# Allegro board DPU_PoE_A1_SizeReduce.brd (continued)
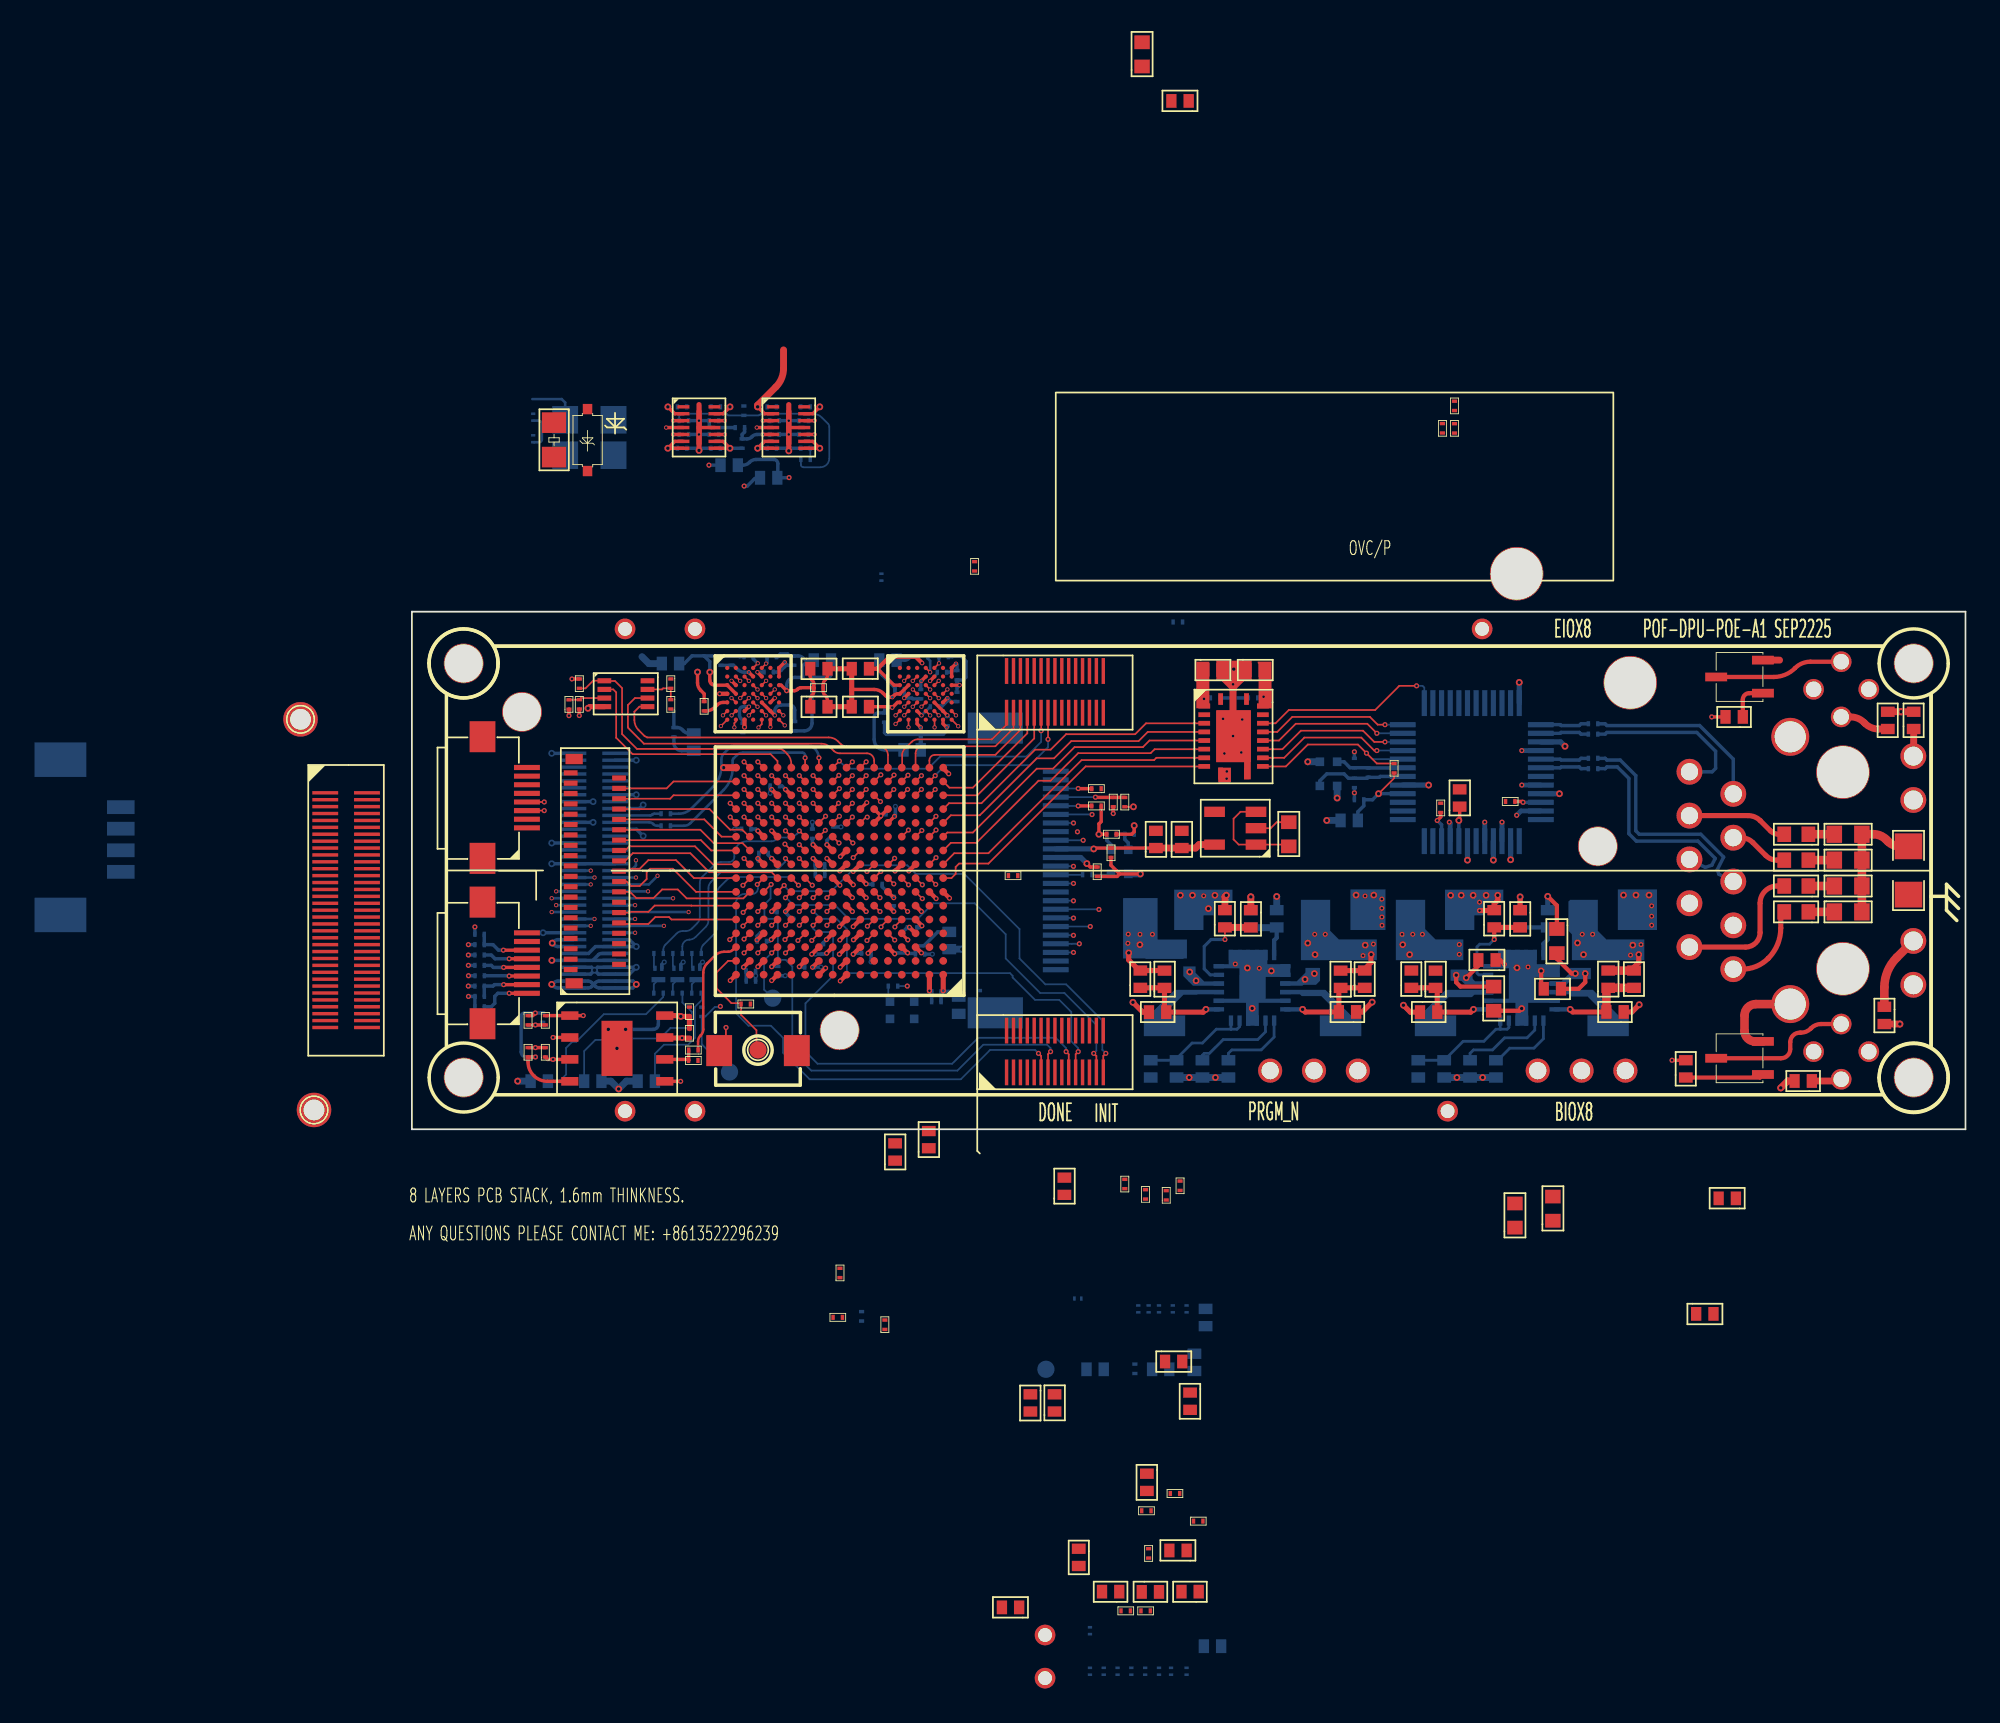
[diagram p0: board, top side]
## Routing (per net, layer and track width the routed paths; a pad name or vN(x,y) marks a point on that pad's centre or on a via; arc(x,y) is an arc through that point) (continued)
H1_D8: length 15
  TOP w0.102: v2(30.52,23.99) U2.F5 ; v1(23.95,17.33) U7.L10
  SIG-3 w0.102: v2(30.52,23.99) 30.52,23.76 arc(30.53,23.71) 30.56,23.66 30.58,23.64 arc(30.61,23.6) 30.62,23.54 30.62,23.26 arc(30.66,23.07) 30.77,22.9 30.94,22.73 arc(31.01,22.55) 30.94,22.38 30.14,21.58 arc(30.06,21.53) 29.97,21.51 29.94,21.51 arc(29.85,21.49) 29.77,21.44 29.26,20.93 arc(29.15,20.76) 29.11,20.57 29.11,19.57 arc(29.15,19.38) 29.26,19.21 29.45,19.02 arc(29.55,18.78) 29.45,18.54 28.56,17.65 arc(28.25,17.44) 27.88,17.37 25.8,17.37 arc(25.61,17.33) 25.46,17.23 25.36,17.13 arc(25.19,17.02) 25,16.98 24.5,16.98 arc(24.45,16.97) 24.42,16.95 24.4,16.93 arc(24.37,16.91) 24.32,16.9 23.61,16.9 arc(23.54,16.93) 23.51,17 23.51,17.35 arc(23.54,17.42) 23.61,17.45 23.85,17.45 arc(23.92,17.42) 23.95,17.35 v1(23.95,17.33)
H1_D9: length 15
  TOP w0.102: v2(28.02,23.99) U2.F1 ; v1(24.73,20.51) 24.38,20.16
  SIG-3 w0.102: v2(28.02,23.99) 27.66,23.99 arc(27.43,24.09) 27.33,24.32 27.33,25.49 arc(27.36,25.56) 27.43,25.59 27.83,25.59 arc(27.9,25.62) 27.93,25.69 27.93,25.9 arc(27.9,25.97) 27.83,26 27.43,26 arc(27.36,26.03) 27.33,26.1 27.33,26.58 arc(27.27,26.72) 27.13,26.78 26.54,26.78 arc(26.47,26.81) 26.44,26.88 26.44,26.93 arc(26.41,27) 26.34,27.03 26.14,27.03 arc(26.07,27) 26.04,26.93 26.04,26.88 arc(26.01,26.81) 25.93,26.78 25.73,26.78 arc(25.66,26.81) 25.63,26.88 25.63,26.93 arc(25.6,27) 25.53,27.03 25.32,27.03 arc(25.25,27) 25.22,26.93 25.22,26.88 arc(25.19,26.81) 25.12,26.78 24.66,26.78 arc(24.48,26.7) 24.4,26.52 24.4,20.85 v1(24.73,20.51)
H1_D10: length 15.1
  TOP w0.102: v1(25.55,16.59) U7.L8 ; v2(31.52,23.99) U2.F7
  SIG-3 w0.102: v1(25.55,16.59) 25.84,16.89 26.57,16.89 arc(26.74,16.86) 26.88,16.76 26.89,16.75 arc(27.02,16.69) 27.16,16.75 27.18,16.78 arc(27.21,16.82) 27.23,16.88 27.23,16.9 arc(27.24,16.96) 27.27,17 27.3,17.03 arc(27.43,17.09) 27.56,17.03 27.59,17 arc(27.62,16.96) 27.63,16.9 27.63,16.88 arc(27.64,16.82) 27.67,16.78 27.7,16.75 arc(27.84,16.69) 27.97,16.75 28,16.78 arc(28.03,16.82) 28.04,16.88 28.04,16.9 arc(28.05,16.96) 28.08,17 28.11,17.03 arc(28.24,17.09) 28.37,17.03 28.39,17.02 arc(28.64,16.85) 28.93,16.79 arc(29.05,16.84) 29.1,16.96 29.1,17.62 arc(29.15,17.75) 29.29,17.8 29.46,17.8 arc(29.71,17.9) 29.8,18.15 29.8,18.26 arc(29.82,18.32) 29.85,18.37 29.86,18.38 arc(29.9,18.43) 29.91,18.49 29.91,18.7 arc(29.94,18.77) 30.01,18.8 30.29,18.8 arc(30.36,18.83) 30.39,18.9 30.39,19.1 arc(30.36,19.17) 30.29,19.2 30.01,19.2 arc(29.94,19.23) 29.91,19.3 29.91,19.64 arc(29.94,19.8) 30.03,19.93 30.08,19.98 arc(30.12,20.06) 30.08,20.15 30.03,20.2 arc(29.94,20.33) 29.91,20.49 29.91,20.88 arc(29.94,20.96) 30.02,20.99 30.46,20.99 arc(30.59,21.04) 30.64,21.17 30.64,21.5 arc(30.71,21.66) 30.87,21.73 31.2,21.73 arc(31.27,21.76) 31.3,21.83 31.3,23.53 arc(31.33,23.66) 31.4,23.77 31.52,23.89 v2(31.52,23.99)
H1_D11: length 14.9
  TOP w0.102: v2(28.52,23.99) U2.F2 ; v1(25.52,19.7) U7.P8
  SIG-3 w0.102: v2(28.52,23.99) 28.52,23.53 arc(28.43,23.3) 28.2,23.21 27.49,23.21 arc(27.3,23.25) 27.13,23.36 26.78,23.71 arc(26.67,23.88) 26.63,24.07 26.63,25.28 arc(26.58,25.41) 26.45,25.46 25.27,25.46 arc(25.16,25.41) 25.11,25.3 25.11,25.07 arc(25.14,25) 25.21,24.97 26.18,24.97 arc(26.25,24.94) 26.28,24.87 26.28,24.54 arc(26.25,24.47) 26.18,24.44 25.34,24.44 arc(25.22,24.41) 25.12,24.34 25.11,24.33 arc(25,24.06) 25.11,23.78 25.35,23.54 arc(25.46,23.37) 25.5,23.18 25.5,22.23 arc(25.54,22.04) 25.65,21.87 25.74,21.78 arc(25.86,21.6) 25.9,21.4 25.9,20.08 v1(25.52,19.7)
H1_D12: length 15.1
  TOP w0.102: v2(30.28,23.29) 30.28,23.73 U2.G5 ; v1(24.77,18.14) U7.M9
  SIG-3 w0.102: v1(24.77,18.14) 24.84,18.07 24.84,17.77 arc(24.79,17.73) 24.72,17.71 24.71,17.71 arc(24.64,17.69) 24.57,17.65 24.53,17.61 arc(24.5,17.54) 24.53,17.47 24.66,17.34 arc(24.81,17.28) 24.96,17.34 25.16,17.54 arc(25.33,17.65) 25.52,17.69 27.91,17.69 28.12,17.74 28.13,17.74 28.37,17.98 28.37,18.59 arc(28.4,18.66) 28.47,18.69 28.81,18.69 arc(28.89,18.72) 28.91,18.79 28.91,19 arc(28.89,19.07) 28.81,19.1 28.45,19.1 arc(28.38,19.13) 28.35,19.2 28.35,20.81 arc(28.38,20.88) 28.45,20.91 28.82,20.91 arc(28.89,20.94) 28.92,21.01 28.92,21.25 arc(28.89,21.32) 28.82,21.35 28.45,21.35 arc(28.38,21.38) 28.35,21.45 28.35,21.72 arc(28.38,21.79) 28.45,21.82 29.4,21.82 arc(29.59,21.86) 29.76,21.97 29.83,22.04 arc(29.93,22.11) 30.04,22.13 30.07,22.13 arc(30.18,22.15) 30.28,22.22 30.52,22.46 arc(30.56,22.55) 30.52,22.63 30.42,22.73 arc(30.32,22.89) 30.28,23.07 v2(30.28,23.29)
H1_D13: length 15
  TOP w0.102: v1(24.77,19.74) U7.P9 ; v2(28.02,23.49) U2.G1
  SIG-3 w0.102: v2(28.02,23.49) 27.79,23.49 arc(27.6,23.53) 27.44,23.64 27.12,23.96 arc(27.01,24.13) 26.97,24.32 26.97,26.21 arc(26.94,26.28) 26.87,26.31 26.6,26.31 arc(26.53,26.28) 26.5,26.21 26.5,25.95 arc(26.47,25.88) 26.4,25.85 26.27,25.85 arc(26.21,25.86) 26.17,25.89 26.15,25.91 arc(26.12,25.95) 26.11,26.01 26.11,26.25 arc(26.1,26.3) 26.07,26.34 26.02,26.39 arc(25.91,26.44) 25.8,26.39 25.8,26.39 arc(25.73,26.28) 25.7,26.15 25.7,25.95 arc(25.67,25.88) 25.6,25.85 25.28,25.85 arc(25.21,25.88) 25.18,25.95 25.18,26.26 arc(25.14,26.34) 25.06,26.38 24.88,26.38 arc(24.8,26.34) 24.76,26.26 24.76,23.82 arc(24.8,23.63) 24.91,23.46 25.03,23.34 arc(25.08,23.26) 25.1,23.17 25.1,20.08 v1(24.77,19.74)
H1_D14: length 14.8
  TOP w0.102: v1(24.75,16.59) U7.L9 ; v2(31.65,23.36) U2.G7
  SIG-3 w0.102: v2(31.65,23.36) 31.65,21.04 arc(31.61,20.93) 31.5,20.89 30.94,20.89 arc(30.78,20.82) 30.71,20.66 30.71,17.82 arc(30.67,17.74) 30.59,17.7 30.04,17.7 arc(29.94,17.66) 29.9,17.56 29.9,16.66 arc(29.83,16.49) 29.66,16.42 27.16,16.42 arc(27.06,16.4) 26.97,16.34 26.87,16.24 arc(26.7,16.13) 26.51,16.09 25.42,16.09 arc(25.23,16.13) 25.06,16.24 24.9,16.4 24.9,16.44 v1(24.75,16.59)
H1_D15: length 15.1
  TOP w0.102: U7.N9 v1(24.72,18.9) ; v2(28.77,23.3) U2.G2
  SIG-3 w0.102: v1(24.72,18.9) 25.12,19.3 26.59,19.3 arc(26.66,19.33) 26.69,19.4 26.69,21.54 arc(26.7,21.6) 26.73,21.64 26.75,21.66 arc(26.79,21.69) 26.85,21.7 26.95,21.7 arc(27.05,21.74) 27.09,21.84 27.09,22.01 arc(27.06,22.08) 26.99,22.11 26.01,22.11 arc(25.9,22.15) 25.85,22.26 25.85,22.38 arc(25.86,22.42) 25.88,22.45 26.04,22.61 arc(26.11,22.64) 26.18,22.61 arc(26.29,22.56) 26.39,22.61 26.49,22.71 arc(26.53,22.81) 26.49,22.91 25.71,23.69 arc(25.68,23.76) 25.71,23.83 25.85,23.97 arc(25.93,24) 26,23.97 27.04,22.93 arc(27.13,22.79) 27.16,22.63 27.16,22.55 arc(27.2,22.47) 27.28,22.44 27.48,22.44 arc(27.55,22.47) 27.58,22.54 27.58,22.83 arc(27.61,22.9) 27.68,22.93 27.83,22.93 arc(27.9,22.9) 27.93,22.83 27.93,22.6 arc(27.96,22.53) 28.03,22.5 28.23,22.5 arc(28.3,22.53) 28.33,22.6 28.33,22.72 arc(28.34,22.76) 28.36,22.8 28.37,22.81 arc(28.41,22.83) 28.45,22.84 28.67,22.84 arc(28.74,22.87) 28.77,22.94 v2(28.77,23.3)
H1_RST: length 20
  TOP w0.102: v1(27.14,18.99) U7.P6 ; v2(30.54,27.01) U2.A5
  SIG-6 w0.102: v1(27.14,18.99) 27.18,18.95 30.96,18.95 arc(31.16,18.99) 31.32,19.1 32.13,19.91 arc(32.34,20.05) 32.59,20.1 33.25,20.1 arc(33.39,20.13) 33.51,20.21 35.63,22.33 arc(35.74,22.5) 35.78,22.69 35.78,25.06 arc(35.74,25.25) 35.63,25.42 34.52,26.53 arc(34.35,26.64) 34.16,26.68 31.07,26.68 arc(30.88,26.72) 30.71,26.83 v2(30.54,27.01)
  BOTTOM w0.15: v2(30.54,27.01) 30.54,27.01 R61.2
H1_RWDS0: length 14.8
  TOP w0.102: v2(30.02,25.49) U2.C4 ; v1(29.52,20.5) 29.18,20.16
  SIG-6 w0.102: v1(29.52,20.5) 29.52,20.85 arc(29.63,21.12) 29.89,21.23 32.57,21.23 arc(32.76,21.27) 32.93,21.38 32.95,21.4 arc(33.06,21.47) 33.18,21.49 33.19,21.49 arc(33.34,21.56) 33.41,21.71 33.41,21.86 arc(33.47,22.01) 33.62,22.07 33.77,22.07 arc(33.92,22.13) 33.98,22.28 33.98,22.37 arc(33.99,22.43) 34.03,22.48 34.3,22.75 arc(34.4,22.89) 34.43,23.06 34.43,23.07 arc(34.44,23.13) 34.47,23.17 34.62,23.32 arc(34.66,23.43) 34.62,23.54 34.43,23.73 arc(34.39,23.83) 34.43,23.94 34.62,24.13 arc(34.69,24.3) 34.62,24.46 34.46,24.62 arc(34.44,24.65) 34.43,24.69 34.43,24.77 arc(34.37,25.06) 34.21,25.3 33.97,25.54 arc(33.7,25.72) 33.39,25.78 32.66,25.78 arc(32.47,25.74) 32.3,25.63 32.13,25.46 arc(31.82,25.33) 31.51,25.46 31.29,25.68 arc(30.98,25.81) 30.67,25.68 30.63,25.64 arc(30.46,25.53) 30.27,25.49 v2(30.02,25.49)
H1_RWDS1: length 15
  TOP w0.102: v1(25.52,18.9) U7.N8 ; v2(30.02,23.99) U2.F4
  SIG-3 w0.102: v2(30.02,23.99) 30.02,23.8 arc(30.01,23.75) 29.98,23.7 29.97,23.69 arc(29.93,23.66) 29.87,23.65 29.19,23.65 arc(29.12,23.62) 29.09,23.55 29.09,22.88 29.16,22.81 29.74,22.81 arc(29.87,22.79) 29.98,22.71 30.02,22.67 arc(30.05,22.6) 30.02,22.53 29.96,22.47 arc(29.92,22.44) 29.86,22.43 29.2,22.43 arc(29.04,22.4) 28.91,22.31 28.89,22.29 arc(28.76,22.2) 28.6,22.17 27.87,22.17 arc(27.71,22.14) 27.58,22.05 27.52,21.99 arc(27.49,21.92) 27.52,21.85 27.58,21.79 arc(27.62,21.76) 27.68,21.75 27.8,21.75 arc(27.84,21.74) 27.88,21.72 27.9,21.7 arc(27.92,21.66) 27.93,21.62 27.93,21.49 arc(27.9,21.42) 27.83,21.39 27.29,21.39 arc(27.22,21.36) 27.19,21.29 27.19,21.1 arc(27.22,21.03) 27.29,21 27.45,21 arc(27.52,20.97) 27.55,20.9 27.55,20.23 arc(27.52,20.16) 27.45,20.13 27.14,20.13 arc(27.07,20.1) 27.04,20.03 27.04,19.78 arc(27.07,19.71) 27.14,19.68 27.42,19.68 arc(27.49,19.65) 27.52,19.58 27.52,19.35 arc(27.58,19.19) 27.74,19.13 27.86,19.13 arc(27.96,19.11) 28.04,19.06 28.07,19.03 arc(28.12,18.92) 28.07,18.81 28.06,18.8 arc(28.02,18.77) 27.96,18.76 27.85,18.76 arc(27.72,18.73) 27.61,18.66 arc(27.47,18.57) 27.31,18.54 25.92,18.54 arc(25.9,18.54) 25.88,18.55 25.87,18.55 v1(25.52,18.9)
H2_CKN: length 11.8
  TOP w0.102: U1.B2 18.77,26.23 v2(19.02,25.99) ; v1(19.24,21.3) U7.T15
  SIG-3 w0.102: v2(19.02,25.99) 19.02,25.8 arc(18.97,25.68) 18.85,25.62 17.88,25.62 arc(17.75,25.65) 17.65,25.72 17.61,25.76 arc(17.53,25.81) 17.43,25.83 arc(17.33,25.81) 17.25,25.76 17.21,25.72 arc(17.1,25.65) 16.98,25.62 16.21,25.62 arc(15.86,25.48) 15.71,25.12 15.71,24.86 arc(15.86,24.5) 16.21,24.35 18.7,24.35 arc(18.8,24.31) 18.84,24.2 18.84,23.83 19.01,23.66 19.01,22.22 19.16,22.07 19.32,21.91 arc(19.41,21.78) 19.44,21.63 19.44,21.49 v1(19.24,21.3)
H2_CKP: length 11.9
  TOP w0.102: U1.B3 v2(19.52,25.99) ; U7.T14 v1(20.04,21.3)
  SIG-3 w0.102: v2(19.52,25.99) 19.52,25.98 19.52,25.82 arc(19.49,25.69) 19.42,25.58 19.31,25.47 arc(19.15,25.36) 18.95,25.32 16.21,25.32 arc(16.07,25.26) 16.01,25.12 16.01,24.86 arc(16.07,24.71) 16.21,24.65 18.7,24.65 arc(19.01,24.52) 19.15,24.2 19.15,23.95 19.31,23.79 19.31,22.43 arc(19.33,22.35) 19.37,22.29 19.65,22 arc(19.74,21.87) 19.77,21.72 19.77,21.7 arc(19.78,21.66) 19.78,21.63 19.78,21.56 v1(20.04,21.3)
H2_CS: length 12.5
  TOP w0.102: v1(23.24,20.5) 23.58,20.16 ; v2(20.04,27.01) U1.A4
  SIG-6 w0.102: v1(23.24,20.5) 23.28,20.46 23.97,20.46 arc(24.23,20.56) 24.34,20.82 24.34,25.78 arc(24.12,26.29) 23.61,26.5 20.75,26.5 arc(20.52,26.55) 20.32,26.68 20.04,26.96 v2(20.04,27.01)
  BOTTOM w0.2: v2(20.04,27.01) 19.78,27.26 R64.1
H2_D0: length 12
  TOP w0.102: v1(21.64,18.9) U7.N12 ; v2(20.02,24.99) U1.D4
  SIG-6 w0.102: v1(21.64,18.9) 21.68,18.86 arc(21.82,18.85) 21.96,18.81 arc(22,18.78) 22.03,18.76 arc(22.06,18.69) 22.03,18.61 21.87,18.45 arc(21.84,18.43) 21.8,18.42 21.55,18.42 arc(21.42,18.4) 21.31,18.33 arc(21.24,18.29) 21.16,18.33 21.12,18.37 arc(21.1,18.4) 21.09,18.44 arc(21.11,18.53) 21.16,18.6 21.2,18.64 arc(21.23,18.72) 21.2,18.79 arc(21.22,18.9) 21.28,18.98 21.32,19.03 arc(21.42,19.26) 21.32,19.49 21.32,19.5 arc(21.24,19.61) 21.21,19.74 21.21,19.78 arc(21.19,19.89) 21.13,19.99 21.11,20.01 arc(21.08,20.09) 21.11,20.18 21.14,20.21 arc(21.26,20.39) 21.3,20.59 21.3,20.62 arc(21.2,20.85) 20.97,20.94 20.89,20.94 arc(20.7,20.98) 20.53,21.09 arc(20.38,21.45) 20.53,21.8 21.76,23.03 arc(21.87,23.2) 21.91,23.39 21.91,24.19 arc(21.87,24.3) 21.76,24.35 20.87,24.35 arc(20.68,24.39) 20.51,24.5 v2(20.02,24.99)
H2_D1: length 11.8
  TOP w0.102: v1(20.84,18.9) U7.N13 ; v2(19.02,24.99) U1.D3
  SIG-6 w0.102: v1(20.84,18.9) 20.44,19.3 18.1,19.3 arc(17.98,19.32) 17.88,19.39 17.43,19.84 arc(17.13,20.29) 17.03,20.81 17.03,23.87 arc(17.17,24.6) 17.59,25.23 arc(17.69,25.29) 17.8,25.31 18.49,25.31 arc(18.68,25.28) 18.85,25.17 v2(19.02,24.99)
H2_D2: length 11.7
  TOP w0.102: v2(20.52,25.99) U1.C5 ; v1(22.44,19.7) U7.P11
  SIG-6 w0.102: v1(22.44,19.7) 22.48,19.7 22.73,19.95 arc(22.78,20.02) 22.8,20.11 22.8,20.71 arc(22.87,20.87) 23.03,20.94 23.77,20.94 arc(23.93,21) 24,21.17 24,25.48 arc(23.79,25.99) 23.28,26.2 20.87,26.2 arc(20.74,26.17) 20.63,26.1 v2(20.52,25.99)
H2_D3: length 11.8
  TOP w0.102: v1(21.64,20.5) 21.98,20.16 ; v2(20.52,24.99) U1.D5
  SIG-6 w0.102: v1(21.64,20.5) 21.64,20.66 arc(21.63,20.73) 21.59,20.78 21.56,20.81 arc(21.53,20.85) 21.52,20.9 21.52,20.92 arc(21.53,20.96) 21.56,21 21.59,21.03 arc(21.63,21.09) 21.64,21.16 21.64,21.18 arc(21.6,21.28) 21.51,21.32 20.91,21.32 arc(20.84,21.35) 20.81,21.42 20.81,21.7 arc(20.84,21.77) 20.91,21.8 21.37,21.8 arc(21.44,21.83) 21.47,21.91 21.47,22.1 arc(21.61,22.45) 21.96,22.59 22.51,22.59 arc(22.61,22.61) 22.7,22.67 arc(22.74,22.77) 22.7,22.86 22.69,22.87 arc(22.59,22.94) 22.47,22.96 22.27,22.96 arc(22.19,22.99) 22.16,23.07 22.16,23.25 arc(22.19,23.32) 22.27,23.36 22.72,23.36 arc(22.8,23.39) 22.82,23.46 22.82,23.59 arc(22.82,23.64) 22.79,23.68 22.77,23.69 arc(22.73,23.72) 22.68,23.73 22.39,23.73 arc(22.34,23.74) 22.3,23.77 22.25,23.82 arc(22.21,23.91) 22.25,24 22.26,24.01 arc(22.37,24.09) 22.5,24.11 22.69,24.11 arc(22.73,24.12) 22.76,24.14 22.78,24.15 arc(22.8,24.2) 22.81,24.24 22.81,24.26 arc(22.8,24.31) 22.78,24.36 22.76,24.37 arc(22.72,24.4) 22.67,24.41 22.54,24.41 arc(22.46,24.44) 22.43,24.51 22.43,24.72 arc(22.39,24.84) 22.27,24.89 22.26,24.89 arc(22.14,24.86) 22.04,24.79 21.99,24.74 arc(21.85,24.65) 21.68,24.62 21.1,24.62 arc(20.91,24.65) 20.75,24.76 v2(20.52,24.99)
H2_D4: length 11.9
  TOP w0.102: v1(22.44,18.9) U7.N11 ; v2(21.02,25.49) U1.D6
  SIG-6 w0.102: v1(22.44,18.9) 22,19.34 22,21.31 arc(21.99,21.39) 21.95,21.45 21.93,21.46 arc(21.86,21.57) 21.83,21.69 21.83,21.86 arc(21.97,22.18) 22.3,22.32 22.91,22.32 arc(23.02,22.34) 23.11,22.4 arc(23.14,22.49) 23.11,22.59 23.09,22.6 arc(23,22.81) 23.09,23.02 23.09,23.02 arc(23.14,23.09) 23.15,23.16 23.15,24.32 arc(23.13,24.43) 23.07,24.52 23.01,24.58 arc(22.98,24.61) 22.97,24.66 22.97,24.68 arc(22.98,24.72) 23.01,24.76 23.29,25.04 arc(23.33,25.16) 23.29,25.28 arc(23.12,25.34) 22.96,25.28 22.73,25.04 arc(22.66,25.01) 22.58,25.04 22.57,25.06 arc(22.54,25.11) 22.53,25.16 22.53,25.23 arc(22.51,25.32) 22.45,25.41 arc(22.35,25.45) 22.24,25.41 21.83,24.99 arc(21.68,24.93) 21.54,24.99 21.05,25.48 21.04,25.48 v2(21.02,25.49)
H2_D5: length 12
  TOP w0.102: v2(20.02,24.49) U1.E4 ; v1(20.84,20.5) 21.18,20.16
  SIG-6 w0.102: v1(20.84,20.5) 20.53,20.5 20.44,20.58 20.44,20.66 20.21,20.9 19.88,20.9 19.6,21.17 19.6,21.53 19.4,21.67 19.32,21.67 arc(19.09,21.77) 19,22 arc(19.13,22.2) 19.37,22.15 19.42,22.1 arc(19.53,22.03) 19.66,22 19.82,22 19.85,21.98 arc(20.04,21.9) 20.24,21.98 arc(20.29,22.11) 20.24,22.24 20.23,22.25 arc(20.19,22.27) 20.15,22.28 19.91,22.28 19.84,22.35 19.84,22.48 19.91,22.55 20.46,22.55 arc(20.61,22.67) 20.79,22.71 arc(21.11,22.84) 21.24,23.16 21.24,23.53 arc(21.2,23.64) 21.09,23.69 20.55,23.69 arc(20.44,23.64) 20.4,23.53 20.4,23.52 arc(20.41,23.47) 20.44,23.43 20.54,23.33 arc(20.59,23.2) 20.54,23.07 20.49,23.03 arc(20.33,22.92) 20.13,22.88 20.04,22.88 arc(19.85,22.96) 19.76,23.16 19.76,23.49 arc(19.79,23.65) 19.89,23.79 19.9,23.8 arc(19.99,23.94) 20.02,24.1 v2(20.02,24.49)
H2_D6: length 11.9
  TOP w0.102: v1(20.04,20.5) 20.38,20.16 ; v2(19.52,24.99) U1.E3
  SIG-6 w0.102: v2(19.52,24.99) 19.27,24.74 arc(19.15,24.57) 19.11,24.36 19.11,24.06 arc(19.15,23.86) 19.27,23.68 19.29,23.66 arc(19.4,23.49) 19.44,23.3 19.44,22.67 arc(19.43,22.6) 19.39,22.55 arc(19.25,22.49) 19.12,22.55 arc(19.07,22.62) 19.05,22.7 19.05,23.34 arc(18.96,23.55) 18.76,23.64 18.58,23.64 arc(18.35,23.54) 18.25,23.3 18.25,23.17 arc(18.32,23.02) 18.47,22.95 18.54,22.95 arc(18.66,22.91) 18.71,22.79 18.71,22.77 arc(18.66,22.65) 18.54,22.61 18.25,22.61 arc(18.19,22.59) 18.15,22.56 arc(18.12,22.53) 18.12,22.49 18.12,22.38 arc(18.12,22.34) 18.15,22.31 arc(18.19,22.28) 18.25,22.26 18.51,22.26 arc(18.6,22.23) 18.64,22.13 18.64,22.11 arc(18.6,22.01) 18.51,21.97 18.31,21.97 arc(18.22,21.94) 18.19,21.85 18.19,21.83 arc(18.22,21.75) 18.31,21.71 18.52,21.71 arc(18.61,21.68) 18.65,21.58 18.65,21.53 arc(18.62,21.46) 18.55,21.43 arc(18.47,21.39) 18.43,21.31 18.43,21.14 arc(18.51,20.94) 18.7,20.86 19.16,20.86 arc(19.41,20.81) 19.63,20.67 19.76,20.54 19.99,20.54 v1(20.04,20.5)
H2_D7: length 11.9
  TOP w0.102: v1(20.04,19.7) U7.P14 ; U1.E2 18.52,24.99 v2(18.52,24.99)
  SIG-6 w0.102: v2(18.52,24.99) 18.15,24.99 arc(17.94,24.91) 17.86,24.7 17.86,24.69 arc(17.82,24.53) 17.73,24.39 17.65,24.31 arc(17.58,24.12) 17.65,23.93 17.67,23.92 arc(17.75,23.73) 17.67,23.54 17.58,23.45 arc(17.5,23.27) 17.58,23.08 17.62,23.04 arc(17.67,23) 17.74,22.99 17.77,22.99 arc(17.82,22.98) 17.86,22.95 arc(17.89,22.92) 17.89,22.88 17.89,22.79 arc(17.89,22.75) 17.86,22.72 arc(17.82,22.69) 17.77,22.68 17.74,22.68 arc(17.67,22.67) 17.62,22.64 17.59,22.6 arc(17.56,22.53) 17.59,22.46 17.81,22.23 arc(17.84,22.2) 17.84,22.16 17.84,22.09 arc(17.79,21.97) 17.67,21.92 17.63,21.88 arc(17.57,21.72) 17.63,21.56 arc(17.67,21.53) 17.72,21.52 17.93,21.52 arc(17.97,21.51) 18,21.49 18.01,21.48 arc(18.03,21.45) 18.04,21.41 18.04,21.32 arc(18.03,21.28) 18.01,21.25 arc(17.96,21.22) 17.92,21.21 17.72,21.21 arc(17.67,21.2) 17.63,21.18 arc(17.59,21.12) 17.58,21.04 arc(17.58,21.01) 17.61,20.97 17.62,20.97 arc(17.65,20.96) 17.68,20.96 17.97,20.96 arc(18.12,20.9) 18.18,20.75 arc(18.11,20.59) 17.94,20.52 17.92,20.52 arc(17.75,20.45) 17.68,20.28 17.68,20.25 arc(17.75,20.08) 17.93,20 18.62,20 arc(18.84,19.91) 19.07,20 19.12,20.06 arc(19.17,20.09) 19.22,20.1 20.17,20.1 arc(20.28,20.05) 20.33,19.94 20.33,19.86 arc(20.28,19.75) 20.17,19.7 20.05,19.7 v1(20.04,19.7)
H2_D8: length 11.9
  TOP w0.102: v1(22.44,18.1) U7.M11 ; v2(20.52,23.99) U1.F5
  SIG-3 w0.102: v1(22.44,18.1) 22.5,18.1 22.62,18.22 arc(22.78,18.46) 22.84,18.75 22.84,20.49 arc(22.79,20.73) 22.65,20.94 22.41,21.18 arc(22.31,21.43) 22.41,21.68 22.65,21.92 arc(22.67,21.95) 22.68,21.99 23.13,22.44 arc(23.24,22.61) 23.28,22.8 23.28,23.65 arc(23.22,23.78) 23.09,23.84 23.02,23.84 arc(22.88,23.78) 22.82,23.65 22.82,23.26 arc(22.77,23.05) 22.63,22.88 22.55,22.83 arc(22.41,22.76) 22.25,22.73 20.75,22.73 arc(20.58,22.8) 20.51,22.97 20.51,23.98 v2(20.52,23.99)
H2_D9: length 11.9
  TOP w0.102: v1(19.24,18.9) U7.N15 ; v2(18.02,23.99) U1.F1
  SIG-3 w0.102: v1(19.24,18.9) 18.84,19.3 15.77,19.3 arc(15.41,19.45) 15.26,19.81 15.26,23.2 arc(15.32,23.5) 15.49,23.76 15.49,23.76 arc(15.74,23.93) 16.05,23.99 v2(18.02,23.99)
H2_D10: length 11.9
  TOP w0.102: v1(23.24,18.9) U7.N10 ; v2(21.52,23.99) U1.F7
  SIG-3 w0.102: v1(23.24,18.9) 23.61,19.27 23.61,19.29 arc(23.64,19.38) 23.65,19.47 23.65,20.56 arc(23.61,20.76) 23.5,20.92 23.33,21.09 arc(23.23,21.23) 23.2,21.4 23.2,21.87 arc(23.23,22.03) 23.33,22.18 23.46,22.31 arc(23.57,22.47) 23.61,22.67 23.61,24.46 arc(23.48,24.76) 23.17,24.89 22.94,24.89 arc(22.63,24.76) 22.5,24.46 22.5,23.36 arc(22.41,23.13) 22.18,23.04 21.38,23.04 arc(21.31,23.07) 21.28,23.14 21.28,23.75 v2(21.52,23.99)
H2_D11: length 12
  TOP w0.102: v1(19.24,20.5) 19.58,20.16 ; v2(18.52,23.99) U1.F2
  SIG-3 w0.102: v1(19.24,20.5) 19.21,20.47 18.48,20.47 arc(18.28,20.55) 18.2,20.75 18.2,21.09 arc(18.11,21.31) 17.9,21.39 arc(17.7,21.31) 17.62,21.12 17.62,20.71 arc(17.55,20.55) 17.39,20.48 17.38,20.48 arc(17.22,20.55) 17.15,20.71 17.15,21.08 arc(17.07,21.26) 16.89,21.34 16.87,21.34 arc(16.69,21.26) 16.62,21.08 16.62,20.8 arc(16.55,20.63) 16.37,20.56 16.35,20.56 arc(16.18,20.63) 16.11,20.8 16.11,22.77 arc(16.16,22.89) 16.28,22.94 18.17,22.94 arc(18.27,22.99) 18.32,23.09 18.32,23.65 arc(18.34,23.78) 18.41,23.88 v2(18.52,23.99)
H2_D12: length 11.9
  TOP w0.102: v1(21.64,18.1) U7.M12 ; v2(20.08,23.29) 20.27,23.48 U1.G5
  SIG-3 w0.102: v1(21.64,18.1) 21.64,18 21.74,17.9 21.9,17.9 arc(21.97,17.93) 22,18 22,18 arc(22.04,18.19) 22.14,18.34 22.2,18.4 arc(22.23,18.47) 22.2,18.54 22.02,18.72 arc(21.97,18.83) 22.02,18.94 22.23,19.15 arc(22.26,19.22) 22.23,19.3 22.05,19.48 arc(21.98,19.64) 22.05,19.81 22.23,20 arc(22.26,20.07) 22.23,20.14 22.17,20.21 arc(22.08,20.34) 22.05,20.5 22.05,20.77 arc(22,20.88) 21.9,20.92 21.65,20.92 arc(21.61,20.93) 21.57,20.95 21.52,21 arc(21.47,21.13) 21.52,21.25 21.54,21.27 arc(21.64,21.33) 21.75,21.36 21.89,21.36 arc(21.96,21.39) 21.99,21.46 21.99,21.61 arc(21.96,21.69) 21.89,21.72 21.47,21.72 arc(21.39,21.75) 21.36,21.82 21.36,21.99 arc(21.39,22.06) 21.46,22.09 22.4,22.09 arc(22.47,22.12) 22.5,22.19 22.5,22.27 arc(22.49,22.32) 22.47,22.36 22.45,22.37 arc(22.42,22.4) 22.37,22.41 20.62,22.41 arc(20.24,22.56) 20.08,22.95 v2(20.08,23.29)
H2_D13: length 12.1
  TOP w0.102: v2(17.9,23.37) U1.G1 ; v1(19.24,19.7) U7.P15
  SIG-3 w0.102: v1(19.24,19.7) 18.91,20.03 17.67,20.03 arc(17.56,19.98) 17.51,19.87 arc(17.47,19.77) 17.36,19.72 17.32,19.72 arc(17.21,19.77) 17.16,19.89 17.16,19.96 arc(17.11,20.08) 16.98,20.14 16.96,20.14 arc(16.83,20.08) 16.78,19.96 16.78,19.89 arc(16.73,19.77) 16.62,19.72 16.43,19.72 16.36,19.8 16.36,19.96 arc(16.31,20.1) 16.17,20.15 arc(16.04,20.1) 15.99,19.96 15.99,19.88 arc(15.95,19.78) 15.85,19.74 arc(15.7,19.8) 15.63,19.96 15.63,23.04 arc(15.73,23.27) 15.96,23.37 16.15,23.37 arc(16.25,23.41) 16.29,23.51 16.29,23.53 arc(16.33,23.62) 16.42,23.66 16.56,23.66 arc(16.65,23.62) 16.69,23.53 16.69,23.51 arc(16.73,23.41) 16.83,23.37 v2(17.9,23.37)
H2_D14: length 11.9
  TOP w0.102: v1(23.96,18.14) U7.M10 ; v2(21.6,23.41) U1.G7
  SIG-3 w0.102: v2(21.6,23.41) 21.71,23.41 arc(22.01,23.53) 22.13,23.83 22.13,24.72 arc(22.36,25.28) 22.92,25.51 22.98,25.51 arc(23.7,25.21) 24,24.49 24,18.18 v1(23.96,18.14)
H2_D15: length 11.8
  TOP w0.102: U1.G2 18.77,23.63 18.68,23.54 v2(18.68,23.29) ; v1(20.04,18.9) U7.N14
  SIG-3 w0.102: v1(20.04,18.9) 19.6,19.34 19.6,20.75 arc(19.6,20.76) 19.6,20.77 19.6,20.78 arc(19.57,20.83) 19.53,20.88 19.52,20.89 arc(19.47,20.92) 19.41,20.93 18.84,20.93 arc(18.72,20.98) 18.67,21.1 18.67,22.05 arc(18.61,22.2) 18.46,22.27 18.23,22.27 arc(18.01,22.18) 17.92,21.96 17.92,21.94 arc(17.87,21.8) 17.73,21.74 17.65,21.74 arc(17.48,21.81) 17.41,21.98 17.41,22.06 arc(17.36,22.19) 17.23,22.24 17.21,22.24 arc(17.08,22.19) 17.03,22.06 17.03,21.93 arc(16.97,21.78) 16.81,21.72 16.79,21.72 arc(16.54,21.83) 16.43,22.09 16.43,22.36 arc(16.5,22.54) 16.68,22.62 18.35,22.62 arc(18.58,22.71) 18.68,22.94 v2(18.68,23.29)
H2_RST: length 13.9
  TOP w0.102: v1(23.24,19.7) U7.P10 ; v2(20.52,26.99) U1.A5
  SIG-6 w0.102: v1(23.24,19.7) 23.25,19.7 23.57,19.7 arc(23.69,19.73) 23.8,19.8 23.95,19.95 arc(24.12,20.06) 24.31,20.1 25.02,20.1 arc(25.11,20.13) 25.14,20.22 25.14,21.29 arc(25.1,21.51) 24.97,21.7 24.83,21.84 arc(24.72,22.01) 24.68,22.2 24.68,25.79 arc(24.4,26.48) 23.71,26.76 20.79,26.76 arc(20.75,26.77) 20.71,26.79 v2(20.52,26.99)
  BOTTOM w0.2: v2(20.52,26.99) 20.58,27.05 R63.2
H2_RWDS0: length 11.9
  TOP w0.102: v2(20.02,25.49) U1.C4 ; v1(22.44,20.5) 22.78,20.16
  SIG-6 w0.102: v2(20.02,25.49) 20.3,25.49 arc(20.49,25.53) 20.66,25.64 20.75,25.73 arc(20.93,25.85) 21.14,25.89 22.2,25.89 arc(22.41,25.85) 22.59,25.73 arc(22.83,25.63) 23.06,25.73 23.15,25.82 arc(23.19,25.84) 23.23,25.85 23.33,25.85 arc(23.56,25.75) 23.66,25.52 23.66,24.92 arc(23.62,24.72) 23.51,24.56 23.45,24.5 arc(23.4,24.38) 23.45,24.27 23.66,24.06 arc(23.69,23.98) 23.66,23.91 23.45,23.7 arc(23.41,23.61) 23.45,23.51 23.68,23.28 arc(23.72,23.2) 23.68,23.12 23.5,22.94 arc(23.4,22.68) 23.5,22.42 23.66,22.26 arc(23.7,22.19) 23.66,22.11 23.47,21.91 arc(23.18,21.8) 22.9,21.91 22.85,21.96 arc(22.81,21.99) 22.75,22 22.56,22 arc(22.43,21.95) 22.38,21.82 22.38,20.56 v1(22.44,20.5)
H2_RWDS1: length 11.9
  TOP w0.102: v1(20.84,18.1) U7.M13 ; v2(19.52,23.99) U1.F4
  SIG-3 w0.102: v1(20.84,18.1) 21.14,18.1 21.24,18.2 21.24,18.39 arc(21.21,18.46) 21.14,18.49 20.52,18.49 arc(20.45,18.52) 20.42,18.59 20.42,19.17 arc(20.45,19.25) 20.52,19.28 21.06,19.28 arc(21.16,19.32) 21.2,19.42 21.2,19.95 arc(21.17,20.02) 21.1,20.05 20.51,20.05 arc(20.44,20.08) 20.41,20.16 20.41,20.77 arc(20.46,20.88) 20.56,20.92 21.02,20.92 arc(21.09,20.95) 21.12,21.02 21.12,21.12 arc(21.08,21.22) 20.98,21.26 20.51,21.26 arc(20.44,21.29) 20.41,21.36 20.41,21.54 arc(20.44,21.61) 20.51,21.64 20.9,21.64 arc(20.97,21.67) 21,21.74 21,21.89 arc(20.97,21.96) 20.9,21.99 20.42,21.99 arc(20.23,22.03) 20.06,22.14 19.83,22.37 arc(19.72,22.53) 19.68,22.72 19.68,23.67 arc(19.67,23.77) 19.61,23.85 19.52,23.95 v2(19.52,23.99)
INIT_N: length 13.2
  TOP w0.102: v1(22.36,10.94) U7.D11
  SIG-3 w0.102: v1(17.87,7.12) 19.01,7.12 19.11,7.22 arc(19.31,7.69) 19.78,7.89 21.48,7.89 arc(21.69,7.98) 21.78,8.19 21.78,9.38 arc(21.82,9.57) 21.93,9.74 22.22,10.03 arc(22.33,10.19) 22.36,10.39 v1(22.36,10.94)
  BOTTOM w0.102: v1(17.87,7.12) 17.84,7.09 17.55,7.09 17,6.54 R48.2 16.79,4.93 TP2.1
IO-3: length 6.9
  TOP w0.102: Y1.36 14.76,19.76 15.16,20.16 18.78,20.16
IO-4: length 6.9
  TOP w0.102: 12,19.16 14.96,19.16 15.16,19.36 U7.P16
IO-5: length 8.2
  TOP w0.102: U7.L15 19.54,16.96 19.13,17.37 18.43,17.37 17.24,18.56 Y1.32
IO-6: length 7.2
  TOP w0.102: U7.L16 17.94,16.96 16.94,17.96 Y1.30
